# KiCad board Amiga A500 Keyboard - Mitsumi A619B Membrane - Mapping.kicad_pcb (continued)
## Routing (per net, layer and track width the routed paths; a pad name or vN(x,y) marks a point on that pad's centre or on a via; arc(x,y) is an arc through that point) (continued)

## Text on the board
F.Silkscreen: CAPS_LED | VCC | !!! WARNING - FOR MAPPING ONLY - NOT FOR PCB PRODUCTION !!!
